# Altium PCB Zilents_TKL.PcbDoc (part 2 of 3)
Units mm, origin at the board's own origin, x right, y up, seen from the top; angles counter-clockwise.
Board outline 1000 x 300 mm, 2 copper layers (Top Layer, Bottom Layer); 442 components, 289 nets, 1638 pads, 43 vias.
Unrouted connection lines stored in the file: 714.
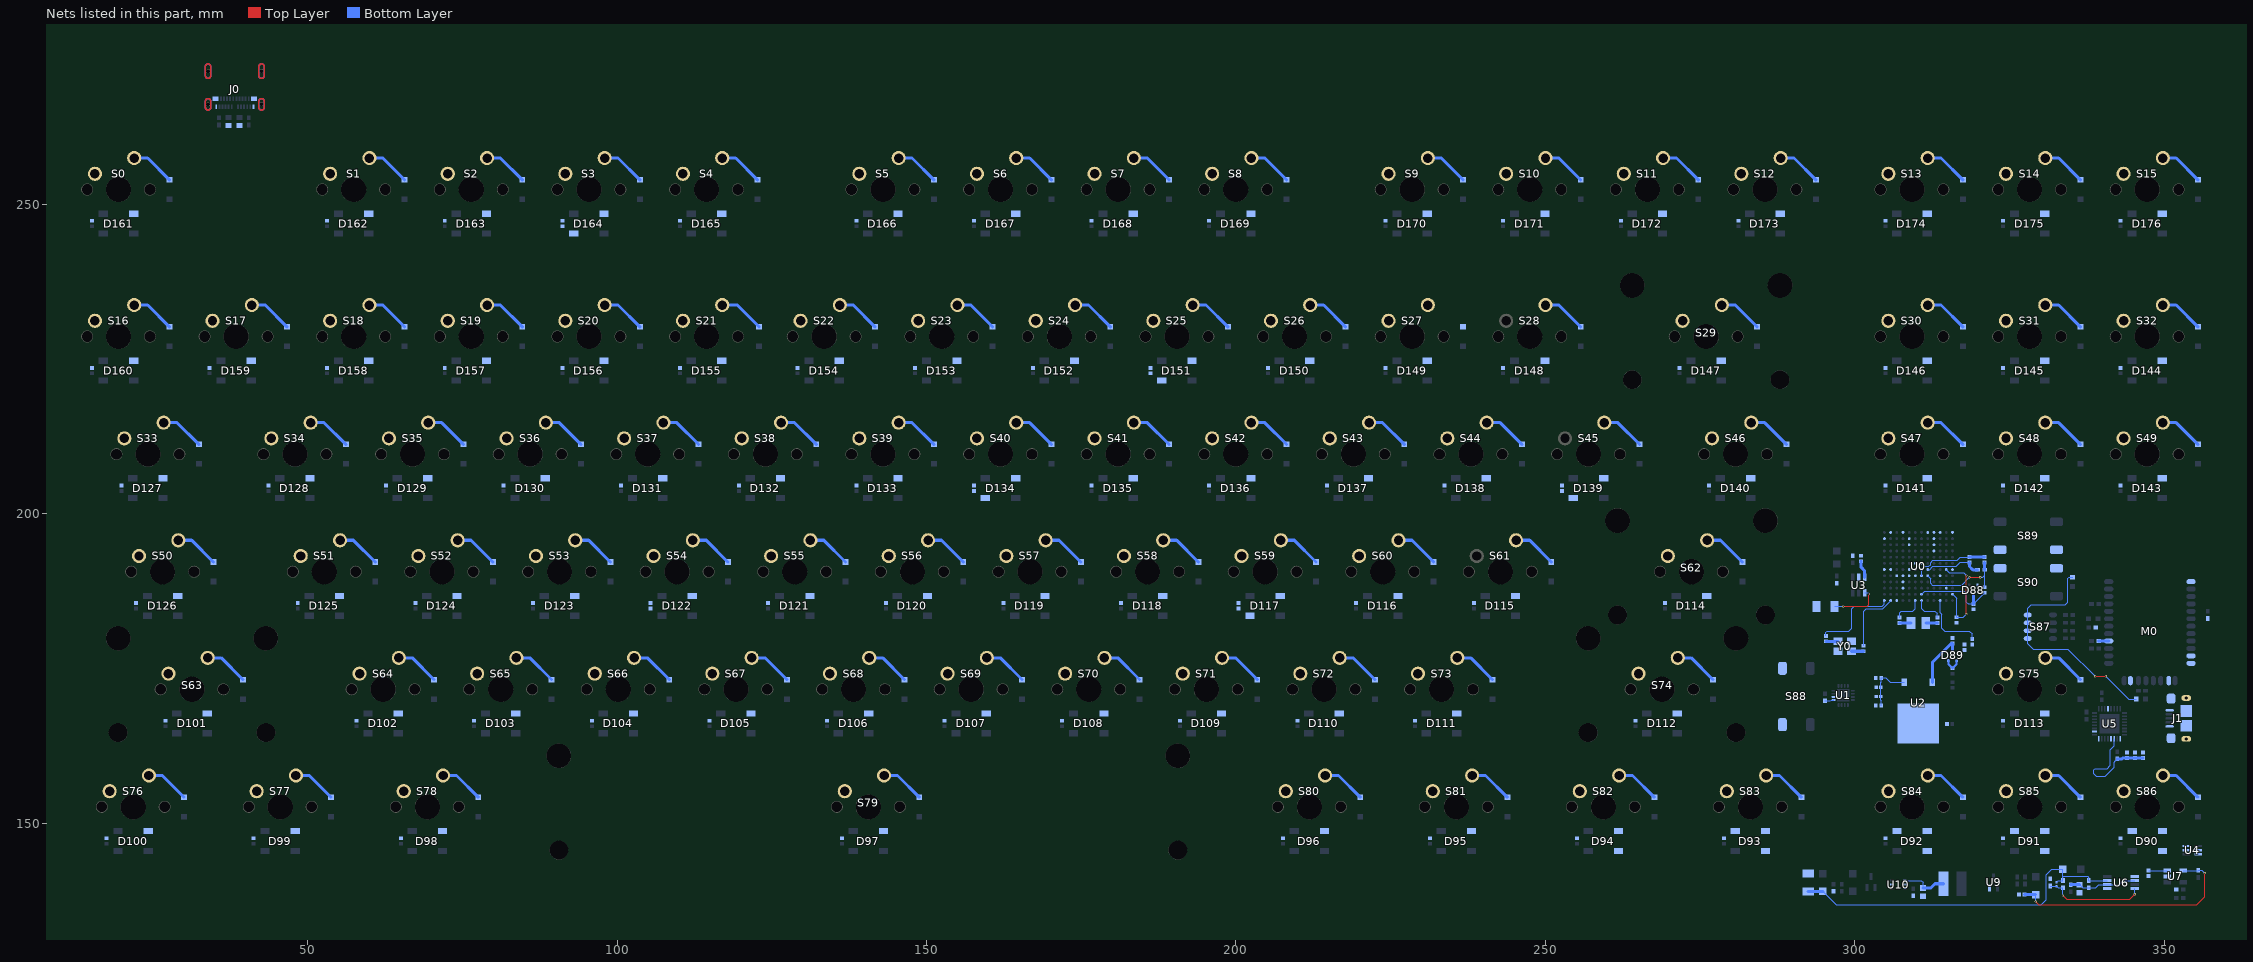
[diagram p2: the nets of this part, all layers, seen from the top]

## Part data
C0 C8 C9 C10 C11 C17 C18 C19 C20 C21 C22 C23 C24 C25 C26 C27 C28 C29 C30 C31 C32 C33 C34 C35 C36 C37 C38 C39 C40 C41 C42 C43 C44 C45 C46 C47 C48 C49 C50 C51 C52 C53 C54 C55 C56 C57 C58 C59 C60 C61 C62 C63 C64 C65 C66 C67 C68 C69 C70 C71 C72 C73 C74 C75 C76 C77 C78 C79 C80 C81 C82 C83 C84 C85 C86 C87 C88 C89 C90 C91 C92 C93 C94 C95 C96 C97 C98 C99 C100 C101 C102 C103: library part GRM155R61A104KA01D, "CAP CER 0.1UF 10V X5R 0402", Device Package="0402 (1005 Metric)", Manufacturer="Murata Electronics North America", Supplier Part Number 1=490-1318-2-ND, TemperatureCoefficient=X5R, TemperatureRange="-55C ~ 85C", Tolerance=10%, Voltage=10V, ComponentLink1Description=Datasheet, ComponentLink1URL=http://www.murata.com/~/media/webrenewal/support/library/catalog/products/capacitor/mlcc/c02e.pdf, ComponentLink2Description="Digi-Key Listing", ComponentLink2URL=https://www.digikey.com/product-detail/en/murata-electronics-north-america/GRM155R61A104KA01D/490-1318-2-ND/587212, PartId=12327, Part Number=GRM155R61A104KA01D, Price=0.0021, Supplier 1=Digi-Key
C1 C2 C14 C15 C16: library part GRM155R61A225KE95D, "CAP CER 2.2UF 10V X5R 0402", Device Package="0402 (1005 Metric)", Manufacturer="Murata Electronics North America", Supplier Part Number 1=490-10451-2-ND, TemperatureCoefficient=X5R, TemperatureRange="-55C ~ 85C", Tolerance=10%, Voltage=10V, ComponentLink1Description=Datasheet, ComponentLink1URL=http://www.murata.com/~/media/webrenewal/support/library/catalog/products/capacitor/mlcc/c02e.pdf, ComponentLink2Description="Digi-Key Listing", ComponentLink2URL=https://www.digikey.com/product-detail/en/murata-electronics-north-america/GRM155R61A225KE95D/490-10451-2-ND/5027536, PartId=12488, Part Number=GRM155R61A225KE95D, Price=0.0151, Supplier 1=Digi-Key
C3: library part GRM31CD80J107ME39L, "CAP CER 100UF 6.3V X6T 1206", Device Package="1206 (3216 Metric)", Manufacturer="Murata Electronics North America", Supplier Part Number 1=490-10525-2-ND, TemperatureCoefficient=X6T, TemperatureRange="-55C ~ 105C", Tolerance=20%, Voltage=6.3V, ComponentLink1Description=Datasheet, ComponentLink1URL=http://www.murata.com/~/media/webrenewal/support/library/catalog/products/capacitor/mlcc/c02e.pdf, ComponentLink2Description="Digi-Key Listing", ComponentLink2URL=https://www.digikey.com/product-detail/en/murata-electronics-north-america/GRM31CD80J107ME39L/490-10525-2-ND/5027609, PartId=15791, Part Number=GRM31CD80J107ME39L, Price=0.1747, Supplier 1=Digi-Key
C4 C5: library part GRM1555C1H100RA01D, "CAP CER 10PF 50V NP0 0402", Device Package="0402 (1005 Metric)", Manufacturer="Murata Electronics North America", Supplier Part Number 1=490-11374-2-ND, TemperatureCoefficient="C0G, NP0", TemperatureRange="-55C ~ 125C", Tolerance=-, Voltage=50V, ComponentLink1Description=Datasheet, ComponentLink1URL=http://www.murata.com/~/media/webrenewal/support/library/catalog/products/capacitor/mlcc/c02e.ashx, ComponentLink2Description="Digi-Key listing", ComponentLink2URL=http://digikey.com/product-detail/en/GRM1555C1H100RA01D/490-11374-2-ND/4421554, PartId=4848, Part Number=GRM1555C1H100RA01D, Price=0.0051, Supplier 1=Digi-Key, Type=-
C6 C7: library part GRM1555C1H2R0WA01D, "CAP CER 2PF 50V NP0 0402", Device Package="0402 (1005 Metric)", Manufacturer="Murata Electronics North America", Supplier Part Number 1=490-8193-2-ND, TemperatureCoefficient="C0G, NP0", TemperatureRange="-55C ~ 125C", Tolerance=0.05pF, Voltage=50V, ComponentLink1Description=Datasheet, ComponentLink1URL=http://www.murata.com/~/media/webrenewal/support/library/catalog/products/capacitor/mlcc/c02e.ashx, ComponentLink2Description="Digi-Key listing", ComponentLink2URL=http://digikey.com/product-detail/en/GRM1555C1H2R0WA01D/490-8193-2-ND/3693956, PartId=5163, Part Number=GRM1555C1H2R0WA01D, Price=0.0199, Supplier 1=Digi-Key, Type=-
C12 C13: library part GJM1555C1H100FB01D, "CAP CER 10PF 50V NP0 0402", Device Package="0402 (1005 Metric)", Manufacturer="Murata Electronics North America", Supplier Part Number 1=490-11189-2-ND, TemperatureCoefficient="C0G, NP0", TemperatureRange="-55C ~ 125C", Tolerance=1%, Voltage=50V, ComponentLink1Description=Datasheet, ComponentLink1URL=http://www.murata.com/~/media/webrenewal/support/library/catalog/products/capacitor/mlcc/c02e.ashx, ComponentLink2Description="Digi-Key listing", ComponentLink2URL=http://digikey.com/product-detail/en/GJM1555C1H100FB01D/490-11189-2-ND/2592845, PartId=3745, Part Number=GJM1555C1H100FB01D, Price=0.0393, Supplier 1=Digi-Key, Type="High Q, Low Loss"
C104 C105 C106: library part GRM155R71C104JA88D, "CAP CER 0.1UF 16V X7R 0402", Device Package="0402 (1005 Metric)", Manufacturer="Murata Electronics North America", Supplier Part Number 1=490-6327-2-ND, TemperatureCoefficient=X7R, TemperatureRange="-55C ~ 125C", Tolerance=5%, Voltage=16V, ComponentLink1Description=Datasheet, ComponentLink1URL=http://www.murata.com/~/media/webrenewal/support/library/catalog/products/capacitor/mlcc/c02e.pdf, ComponentLink2Description="Digi-Key Listing", ComponentLink2URL=https://www.digikey.com/product-detail/en/murata-electronics-north-america/GRM155R71C104JA88D/490-6327-2-ND/2610891, PartId=12366, Part Number=GRM155R71C104JA88D, Price=0.0046, Supplier 1=Digi-Key
C107 C108: library part GRM155R60J475ME87D, "CAP CER 4.7UF 6.3V X5R 0402", Device Package="0402 (1005 Metric)", Manufacturer="Murata Electronics North America", Supplier Part Number 1=490-5408-2-ND, TemperatureCoefficient=X5R, TemperatureRange="-55C ~ 85C", Tolerance=20%, Voltage=6.3V, ComponentLink1Description=Datasheet, ComponentLink1URL=http://www.murata.com/~/media/webrenewal/support/library/catalog/products/capacitor/mlcc/c02e.pdf, ComponentLink2Description="Digi-Key Listing", ComponentLink2URL=https://www.digikey.com/product-detail/en/murata-electronics-north-america/GRM155R60J475ME87D/490-5408-2-ND/2175194, PartId=12408, Part Number=GRM155R60J475ME87D, Price=0.0194, Supplier 1=Digi-Key
C109: library part GRM188C80G226MEA0D, "CAP CER 22UF 4V X6S 0603", Device Package="0603 (1608 Metric)", Manufacturer="Murata Electronics North America", Supplier Part Number 1=490-7196-2-ND, TemperatureCoefficient=X6S, TemperatureRange="-55C ~ 105C", Tolerance=20%, Voltage=4V, ComponentLink1Description=Datasheet, ComponentLink1URL=http://www.murata.com/~/media/webrenewal/support/library/catalog/products/capacitor/mlcc/c02e.pdf, ComponentLink2Description="Digi-Key Listing", ComponentLink2URL=https://www.digikey.com/product-detail/en/murata-electronics-north-america/GRM188C80G226MEA0D/490-7196-2-ND/3900459, PartId=13071, Part Number=GRM188C80G226MEA0D, Price=0.0473, Supplier 1=Digi-Key
C110: library part C3216JB1A686M160AC, "CAP CER 68UF 10V JB 1206", Device Package="1206 (3216 Metric)", Manufacturer="TDK Corporation", Supplier Part Number 1=445-11687-2-ND, TemperatureCoefficient=JB, TemperatureRange="-25C ~ 85C", Tolerance=20%, Voltage=10V, ComponentLink1Description=Datasheet, ComponentLink1URL=https://product.tdk.com/info/en/catalog/datasheets/mlcc_commercial_general_en.pdf, ComponentLink2Description="Digi-Key Listing", ComponentLink2URL=https://www.digikey.com/product-detail/en/tdk-corporation/C3216JB1A686M160AC/445-11687-2-ND/3948923, PartId=17513, Part Number=C3216JB1A686M160AC, Price=0.6951, Supplier 1=Digi-Key
C111: library part GRM188R70J104KA01D, "CAP CER 0.1UF 6.3V X7R 0603", Device Package="0603 (1608 Metric)", Manufacturer="Murata Electronics North America", Supplier Part Number 1=490-9730-2-ND, TemperatureCoefficient=X7R, TemperatureRange="-55C ~ 125C", Tolerance=10%, Voltage=6.3V, ComponentLink1Description=Datasheet, ComponentLink1URL=http://www.murata.com/~/media/webrenewal/support/library/catalog/products/capacitor/mlcc/c02e.ashx, ComponentLink2Description="Digi-Key listing", ComponentLink2URL=http://digikey.com/product-detail/en/GRM188R70J104KA01D/490-9730-2-ND/2612449, PartId=5472, Part Number=GRM188R70J104KA01D, Price=0.0168, Supplier 1=Digi-Key, Type=-
C112: library part GRM0335C1E390JA01D, "CAP CER 39PF 25V NP0 0201", Device Package="0201 (0603 Metric)", Manufacturer="Murata Electronics North America", Supplier Part Number 1=490-11295-2-ND, TemperatureCoefficient="C0G, NP0", TemperatureRange="-55C ~ 125C", Tolerance=5%, Voltage=25V, ComponentLink1Description=Datasheet, ComponentLink1URL=http://www.murata.com/~/media/webrenewal/support/library/catalog/products/capacitor/mlcc/c02e.pdf, ComponentLink2Description="Digi-Key Listing", ComponentLink2URL=https://www.digikey.com/product-detail/en/murata-electronics-north-america/GRM0335C1E390JA01D/490-11295-2-ND/4358216, PartId=20489, Part Number=GRM0335C1E390JA01D, Price=0.0018, Supplier 1=Digi-Key
D0 D1 D2 D3 D4 D5 D6 D7 D8 D9 D10 D11 D12 D13 D14 D15 D16 D17 D18 D19 D20 D21 D22 D23 D24 D25 D26 D27 D28 D29 D30 D31 D32 D33 D34 D35 D36 D37 D38 D39 D40 D41 D42 D43 D44 D45 D46 D47 D48 D49 D50 D51 D52 D53 D54 D55 D56 D57 D58 D59 D60 D61 D62 D63 D64 D65 D66 D67 D68 D69 D70 D71 D72 D73 D74 D75 D76 D77 D78 D79 D80 D81 D82 D83 D84 D85 D86: "DIODE GEN PURP 75V 150MA SOD123", Current Rectified=150mA, Current Reverse Leakage @ Vr="100uA @ 100V", Device Package=SOD-123, Junction Operating Temperature="-55C ~ 150C", Manufacturer="Vishay Semiconductor Diodes Division", Supplier Part Number 1=1N4148W-HE3-08GICT-ND, Voltage DC Reverse (Vr)=75V, Voltage Forward (Vf)="1.2V @ 100mA", ComponentLink1Description=Datasheet, ComponentLink1URL=http://www.vishay.com/docs/85748/1n4148w.pdf, ComponentLink2Description="Digi-Key Listing", ComponentLink2URL=https://www.digikey.com/product-detail/en/vishay-semiconductor-diodes-division/1N4148W-HE3-08/1N4148W-HE3-08GICT-ND/6228445, PartId=29404, Part Number=1N4148W-HE3-08, Price=0.24, Reverse Recovery Time (trr)=4ns, Supplier 1=Digi-Key, Type=Standard
D88 D89: "DIODE, DUAL, SCH, 40V, 1A, SOT1061; Diode Type: Schottky; Diode Configuration: Dual, Common Cathode; Repetitive Rever...", Package=None, Supplier Part Number 1=954-PMEG4010CPA115-CHP, Availability=Good, MF=Nexperia, MP=PMEG4010CPA, Price="0.31 USD", SnapEDA_Link=https://www.snapeda.com/parts/PMEG4010CPA/Nexperia/view-part/?ref=snap, Supplier 1=Digi-Key
D90 D91 D92 D93 D94 D95 D96 D97 D98 D99 D100 D101 D102 D103 D104 D105 D106 D107 D108 D109 D110 D111 D112 D113 D114 D115 D116 D117 D118 D119 D120 D121 D122 D123 D124 D125 D126 D127 D128 D129 D130 D131 D132 D133 D134 D135 D136 D137 D138 D139 D140 D141 D142 D143 D144 D145 D146 D147 D148 D149 D150 D151 D152 D153 D154 D155 D156 D157 D158 D159 D160 D161 D162 D163 D164 D165 D166 D167 D168 D169 D170 D171 D172 D173 D174 D175 D176: "Ws2812b 5050 Rgb Led With Integrated Driver Chip Pack Of 10", Package=Adafruit, Supplier Part Number 1=1528-1104-ND, Availability=Good, MF=Adafruit, MP=1655, Price="4.48 USD", SnapEDA_Link=https://www.snapeda.com/parts/1655/Adafruit%20Industries%20LLC/view-part/?ref=snap, Supplier 1=Digi-Key
D177: library part LTST-C170KFKT, "LED ORANGE CLEAR 0805 SMD", Current (Test)=20mA, Device Package="0805 (2012 Metric)", Manufacturer="Lite-On Inc.", Supplier Part Number 1=160-1413-2-ND, Voltage Forward=2V, Colour=Orange, ComponentLink1Description=Datasheet, ComponentLink1URL=http://optoelectronics.liteon.com/upload/download/DS-22-99-0185/S_110_LTST-C170KFKT.pdf, ComponentLink2Description="Digi-Key Listing", ComponentLink2URL=http://www.digikey.ca/product-detail/en/LTST-C170KFKT/160-1413-2-ND/386775, Lens Transparency=Clear, Millicandela=90mcd, PartId=7079, Part Number=LTST-C170KFKT, Price=0.0638, Supplier 1=Digi-Key, Type="Surface Mount", Viewing Angle=130
D178: library part LTST-C191KRKT, "LED RED CLEAR 0603 SMD", Current (Test)=20mA, Device Package="0603 (1608 Metric)", Manufacturer="Lite-On Inc.", Supplier Part Number 1=160-1447-2-ND, Voltage Forward=2V, Colour=Red, ComponentLink1Description=Datasheet, ComponentLink1URL=http://optoelectronics.liteon.com/upload/download/DS22-2000-223/S_110_LTST-C191KRKT.pdf, ComponentLink2Description="Digi-Key Listing", ComponentLink2URL=http://www.digikey.ca/product-detail/en/LTST-C191KRKT/160-1447-2-ND/386837, Lens Transparency=Clear, Millicandela=54mcd, PartId=7050, Part Number=LTST-C191KRKT, Price=0.0521, Supplier 1=Digi-Key, Viewing Angle=130
D179: library part LTST-C193TBKT-5A, "LED BLUE CLEAR 0603 SMD", Current (Test)=5mA, Device Package="0603 (1608 Metric)", Manufacturer="Lite-On Inc.", Supplier Part Number 1=160-1827-2-ND, Voltage Forward=2.8V, Colour=Blue, ComponentLink1Description=Datasheet, ComponentLink1URL=http://optoelectronics.liteon.com/upload/download/DS22-2004-060/P_100_LTST-C193TBKT-5A.pdf, ComponentLink2Description="Digi-Key Listing", ComponentLink2URL=http://www.digikey.ca/product-detail/en/LTST-C193TBKT-5A/160-1827-2-ND/2053656, Lens Transparency=Clear, Millicandela=15mcd, PartId=7054, Part Number=LTST-C193TBKT-5A, Price=0.0875, Supplier 1=Digi-Key, Type="Surface Mount", Viewing Angle=130
D180: library part LTST-C191KGKT, "LED GREEN CLEAR 0603 SMD", Current (Test)=20mA, Device Package="0603 (1608 Metric)", Manufacturer="Lite-On Inc.", Supplier Part Number 1=160-1446-2-ND, Voltage Forward=2V, Colour=Green, ComponentLink1Description=Datasheet, ComponentLink1URL=http://optoelectronics.liteon.com/upload/download/DS22-2000-228/S_110_LTST-C191KGKT.pdf, ComponentLink2Description="Digi-Key Listing", ComponentLink2URL=http://www.digikey.ca/product-detail/en/LTST-C191KGKT/160-1446-2-ND/386835, Lens Transparency=Clear, Millicandela=35mcd, PartId=7051, Part Number=LTST-C191KGKT, Price=0.0521, Supplier 1=Digi-Key, Type="Surface Mount", Viewing Angle=130
D181: library part SML-P11MTT86, "LED GREEN CLEAR 0402 SMD", Current (Test)=1mA, Device Package="0402 (1005 Metric)", Manufacturer="Rohm Semiconductor", Supplier Part Number 1=511-1652-2-ND, Voltage Forward=1.9V, Colour=Green, ComponentLink1Description=Datasheet, ComponentLink1URL=http://rohmfs.rohm.com/en/products/databook/datasheet/opto/led/chip_mono/sml-p11_p-eco.pdf, ComponentLink2Description="Digi-Key Listing", ComponentLink2URL=http://www.digikey.ca/product-detail/en/SML-P11MTT86/511-1652-2-ND/2036457, Lens Transparency=Clear, Millicandela=2.1mcd, PartId=7066, Part Number=SML-P11MTT86, Price=0.0918, Supplier 1=Digi-Key, Type="Surface Mount", Viewing Angle=-
D182 D183 D184 D185: "DIODE SCHOTTKY 20V 1A MINI2", Current Rectified=1A, Current Reverse Leakage @ Vr="100uA @ 20V", Device Package=SOD-123F, Junction Operating Temperature="125C (Max)", Manufacturer="Panasonic Electronic Components", Supplier Part Number 1=DB2X20600LCT-ND, Voltage DC Reverse (Vr)=20V, Voltage Forward (Vf)="450mV @ 1A", ComponentLink1Description=Datasheet, ComponentLink1URL=http://www.semicon.panasonic.co.jp/ds4/DB2X206_E.pdf, ComponentLink2Description="Digi-Key Listing", ComponentLink2URL=https://www.digikey.com/product-detail/en/panasonic-electronic-components/DB2X20600L/DB2X20600LCT-ND/2626210, PartId=29201, Part Number=DB2X20600L, Price=0.48, Reverse Recovery Time (trr)=6ns, Supplier 1=Digi-Key, Type=Schottky
FB0: library part CIM05U121NC, "FERRITE CHIP 120 OHM 600MA 0402", Current Rating=600mA, DC Resistance="250 mOhm Max", Device Package="0402 (1005 Metric)", Manufacturer="Samsung Electro-Mechanics America, Inc.", Supplier Part Number 1=1276-6345-2-ND, ComponentLink1Description=Datasheet, ComponentLink1URL=http://www.samsungsem.com/kr/front/downloadcms.do?path=/kr/support/product-search/bead/__icsFiles/afieldfile/2014/11/13&fileName=S_CIM05J102NC.pdf, ComponentLink2Description="Digi-Key listing", ComponentLink2URL=http://digikey.com/product-detail/en/CIM05U121NC/1276-6345-2-ND/3973775, PartId=6447, Part Number=CIM05U121NC, Price=0.0147, Supplier 1=Digi-Key, Type="Differential Mode - Single"
FB1 FB2: library part BLM15AX601SN1D, "FERRITE CHIP 600 OHM 0402", Current Rating=420mA, DC Resistance="340 mOhm Max", Device Package="0402 (1005 Metric)", Manufacturer="Murata Electronics North America", Supplier Part Number 1=490-5441-2-ND, ComponentLink1Description=Datasheet, ComponentLink1URL=http://search.murata.co.jp/Ceramy/image/img/PDF/ENG/L0110S0100BLM15AX_SN.pdf, ComponentLink2Description="Digi-Key listing", ComponentLink2URL=http://digikey.com/product-detail/en/BLM15AX601SN1D/490-5441-2-ND/2256876, PartId=6527, Part Number=BLM15AX601SN1D, Price=0.0329, Supplier 1=Digi-Key, Type="Differential Mode - Single"
J0: "USB Shielded I/O Receptacle; Type C; Right Angle; Surface Mount; Gold over Nickel", Package=None, Digi-Key_Part_Number=WM12856CT-ND, Digi-Key_Purchase_URL=https://www.digikey.com/product-detail/en/molex-llc/1054500101/WM12856CT-ND/5843891?utm_source=snapeda&utm_medium=aggregator&utm_campaign=symbol, MF=Molex, MP=1054500101, SnapEDA_Link=https://www.snapeda.com/parts/1054500101/Molex/view-part/?ref=snap
J1: library part 10118193-0001LF, "CONN USB MICRO B RECPT SMT R/A", Manufacturer=FCI, Supplier Part Number 1=609-4616-2-ND, ComponentLink1Description=Datasheet, ComponentLink1URL=http://portal.fciconnect.com/Comergent//fci/drawing/10118193.pdf, ComponentLink2Description="Digi-Key Listing", ComponentLink2URL=http://www.digikey.ca/product-detail/en/10118193-0001LF/609-4616-2-ND/2785388, Number Of Positions=5, PartId=7864, Part Number=10118193-0001LF, Price=0.2823, Series="USB 2.0", Supplier 1=Digi-Key, Type="USB - micro B"
L0: "FIXED IND 6.8UH 1.36A 100 MOHM", Current - Saturation=1.36A, DC Resistance (DCR)="100 mOhm Max", Device Package=Nonstandard, Inductance=6.8uH, Manufacturer="TDK Corporation", Operating Temperature="-40C ~ 105C", Supplier Part Number 1=445-6553-2-ND, Tolerance=30%, ComponentLink1Description=Datasheet, ComponentLink1URL=https://product.tdk.com/info/en/catalog/datasheets/inductor_commercial_power_vlcf4028-2_en.pdf, ComponentLink2Description="Digi-Key Listing", ComponentLink2URL=https://www.digikey.com/product-detail/en/tdk-corporation/VLCF4028T-6R8N1R3-2/445-6553-2-ND/2465310, Current Rating=1.36A, Material - Core=Ferrite, PartId=16419, Part Number=VLCF4028T-6R8N1R3-2, Price=0.441, Series=VLCF, Shielding=Shielded, Supplier 1=Digi-Key, Type=Wirewound
M0: library part RN42MOD
R0: library part ERJ-2RKF1001X, "RES SMD 1K OHM 1% 1/10W 0402", Device Package="0402 (1005 Metric)", Manufacturer="Panasonic Electronic Components", PowerRating="0.1W, 1/10W", Supplier Part Number 1=P1.00KLTR-ND, TemperatureCoefficient=100ppm/C, TemperatureRange="-55C ~ 155C", Tolerance=1%, ComponentLink1Description=Datasheet, ComponentLink1URL=http://industrial.panasonic.com/www-cgi/jvcr13pz.cgi?E+PZ+3+AOA0002+ERJ2RKF1001X+7+WW, ComponentLink2Description="Digikey listing", ComponentLink2URL=http://digikey.com/product-detail/en/ERJ-2RKF1001X/P1.00KLTR-ND/79729, PartId=4, Part Number=ERJ-2RKF1001X, Price=0.0043, Supplier 1=Digi-Key, Type="Thick Film"
R1 R2: library part ERA-3ARW512V, "RES SMD 5.1KOHM 0.05% 1/10W 0603", Device Package="0603 (1608 Metric)", Manufacturer="Panasonic Electronic Components", PowerRating="0.1W, 1/10W", Supplier Part Number 1=P5.1KBETR-ND, TemperatureCoefficient=10ppm/C, TemperatureRange="-55C ~ 155C", Tolerance=0.05%, ComponentLink1Description=Datasheet, ComponentLink1URL=http://industrial.panasonic.com/lecs/www-data/pdf/AOA0000/AOA0000CE26.pdf, ComponentLink2Description="Digi-Key listing", ComponentLink2URL=http://digikey.com/product-detail/en/ERA-3ARW512V/P5.1KBETR-ND/3073718, PartId=1878, Part Number=ERA-3ARW512V, Price=0.3659, Supplier 1=Digi-Key, Type="Thin Film"
R3 R24: library part ERJ-2RKF1003X, "RES SMD 100K OHM 1% 1/10W 0402", Device Package="0402 (1005 Metric)", Manufacturer="Panasonic Electronic Components", PowerRating="0.1W, 1/10W", Supplier Part Number 1=P100KLTR-ND, TemperatureCoefficient=100ppm/C, TemperatureRange="-55C ~ 155C", Tolerance=1%, ComponentLink1Description=Datasheet, ComponentLink1URL=http://industrial.panasonic.com/www-cgi/jvcr13pz.cgi?E+PZ+3+AOA0002+ERJ2RKF1003X+7+WW, ComponentLink2Description="Digikey listing", ComponentLink2URL=http://digikey.com/product-detail/en/ERJ-2RKF1003X/P100KLTR-ND/192081, PartId=2, Part Number=ERJ-2RKF1003X, Price=0.0043, Supplier 1=Digi-Key, Type="Thick Film"
R4 R5: library part ERJ-2RKF33R0X, "RES SMD 33 OHM 1% 1/10W 0402", Device Package="0402 (1005 Metric)", Manufacturer="Panasonic Electronic Components", PowerRating="0.1W, 1/10W", Supplier Part Number 1=P33.0LTR-ND, TemperatureCoefficient=100ppm/C, TemperatureRange="-55C ~ 155C", Tolerance=1%, ComponentLink1Description=Datasheet, ComponentLink1URL=http://industrial.panasonic.com/www-cgi/jvcr13pz.cgi?E+PZ+3+AOA0002+ERJ2RKF33R0X+7+WW, ComponentLink2Description="Digikey listing", ComponentLink2URL=http://digikey.com/product-detail/en/ERJ-2RKF33R0X/P33.0LTR-ND/1746198, PartId=21, Part Number=ERJ-2RKF33R0X, Price=0.0043, Supplier 1=Digi-Key, Type="Thick Film"
R6 R7: library part ERJ-2RKF4700X, "RES SMD 470 OHM 1% 1/10W 0402", Device Package="0402 (1005 Metric)", Manufacturer="Panasonic Electronic Components", PowerRating="0.1W, 1/10W", Supplier Part Number 1=P470LTR-ND, TemperatureCoefficient=100ppm/C, TemperatureRange="-55C ~ 155C", Tolerance=1%, ComponentLink1Description=Datasheet, ComponentLink1URL=http://industrial.panasonic.com/www-cgi/jvcr13pz.cgi?E+PZ+3+AOA0002+ERJ2RKF4700X+7+WW, ComponentLink2Description="Digikey listing", ComponentLink2URL=http://digikey.com/product-detail/en/ERJ-2RKF4700X/P470LTR-ND/1746229, PartId=176, Part Number=ERJ-2RKF4700X, Price=0.0043, Supplier 1=Digi-Key, Type="Thick Film"
R8 R9 R10 R11 R14 R15 R16 R17: library part ERJ-2RKF3301X, "RES SMD 3.3K OHM 1% 1/10W 0402", Device Package="0402 (1005 Metric)", Manufacturer="Panasonic Electronic Components", PowerRating="0.1W, 1/10W", Supplier Part Number 1=P3.30KLTR-ND, TemperatureCoefficient=100ppm/C, TemperatureRange="-55C ~ 155C", Tolerance=1%, ComponentLink1Description=Datasheet, ComponentLink1URL=http://industrial.panasonic.com/www-cgi/jvcr13pz.cgi?E+PZ+3+AOA0002+ERJ2RKF3301X+7+WW, ComponentLink2Description="Digikey listing", ComponentLink2URL=http://digikey.com/product-detail/en/ERJ-2RKF3301X/P3.30KLTR-ND/1746191, PartId=159, Part Number=ERJ-2RKF3301X, Price=0.0043, Supplier 1=Digi-Key, Type="Thick Film"
R12 R13 R19 R25: library part ERJ-2RKF4703X, "RES SMD 470K OHM 1% 1/10W 0402", Device Package="0402 (1005 Metric)", Manufacturer="Panasonic Electronic Components", PowerRating="0.1W, 1/10W", Supplier Part Number 1=P470KLTR-ND, TemperatureCoefficient=100ppm/C, TemperatureRange="-55C ~ 155C", Tolerance=1%, ComponentLink1Description=Datasheet, ComponentLink1URL=http://industrial.panasonic.com/www-cgi/jvcr13pz.cgi?E+PZ+3+AOA0002+ERJ2RKF4703X+7+WW, ComponentLink2Description="Digikey listing", ComponentLink2URL=http://digikey.com/product-detail/en/ERJ-2RKF4703X/P470KLTR-ND/1746235, PartId=167, Part Number=ERJ-2RKF4703X, Price=0.0043, Supplier 1=Digi-Key, Type="Thick Film"
R18 R20 R23: library part ERJ-2RKF1002X, "RES SMD 10K OHM 1% 1/10W 0402", Device Package="0402 (1005 Metric)", Manufacturer="Panasonic Electronic Components", PowerRating="0.1W, 1/10W", Supplier Part Number 1=P10.0KLTR-ND, TemperatureCoefficient=100ppm/C, TemperatureRange="-55C ~ 155C", Tolerance=1%, ComponentLink1Description=Datasheet, ComponentLink1URL=http://industrial.panasonic.com/www-cgi/jvcr13pz.cgi?E+PZ+3+AOA0002+ERJ2RKF1002X+7+WW, ComponentLink2Description="Digikey listing", ComponentLink2URL=http://digikey.com/product-detail/en/ERJ-2RKF1002X/P10.0KLTR-ND/192073, PartId=1, Part Number=ERJ-2RKF1002X, Price=0.0043, Supplier 1=Digi-Key, Type="Thick Film"
R21 R22 R31: library part ERJ-2RKF1004X, "RES SMD 1M OHM 1% 1/10W 0402", Device Package="0402 (1005 Metric)", Manufacturer="Panasonic Electronic Components", PowerRating="0.1W, 1/10W", Supplier Part Number 1=P1.00MLTR-ND, TemperatureCoefficient=100ppm/C, TemperatureRange="-55C ~ 155C", Tolerance=1%, ComponentLink1Description=Datasheet, ComponentLink1URL=http://industrial.panasonic.com/www-cgi/jvcr13pz.cgi?E+PZ+3+AOA0002+ERJ2RKF1004X+7+WW, ComponentLink2Description="Digikey listing", ComponentLink2URL=http://digikey.com/product-detail/en/ERJ-2RKF1004X/P1.00MLTR-ND/79728, PartId=7, Part Number=ERJ-2RKF1004X, Price=0.0043, Supplier 1=Digi-Key, Type="Thick Film"
R26: library part ERJ-2RKF2551X, "RES SMD 2.55K OHM 1% 1/10W 0402", Device Package="0402 (1005 Metric)", Manufacturer="Panasonic Electronic Components", PowerRating="0.1W, 1/10W", Supplier Part Number 1=P2.55KLTR-ND, TemperatureCoefficient=100ppm/C, TemperatureRange="-55C ~ 155C", Tolerance=1%, ComponentLink1Description=Datasheet, ComponentLink1URL=http://industrial.panasonic.com/www-cgi/jvcr13pz.cgi?E+PZ+3+AOA0002+ERJ2RKF2551X+7+WW, ComponentLink2Description="Digikey listing", ComponentLink2URL=http://digikey.com/product-detail/en/ERJ-2RKF2551X/P2.55KLTR-ND/192204, PartId=163, Part Number=ERJ-2RKF2551X, Price=0.0043, Supplier 1=Digi-Key, Type="Thick Film"